# KiCad board TX75v2 PCB replacement.kicad_pcb
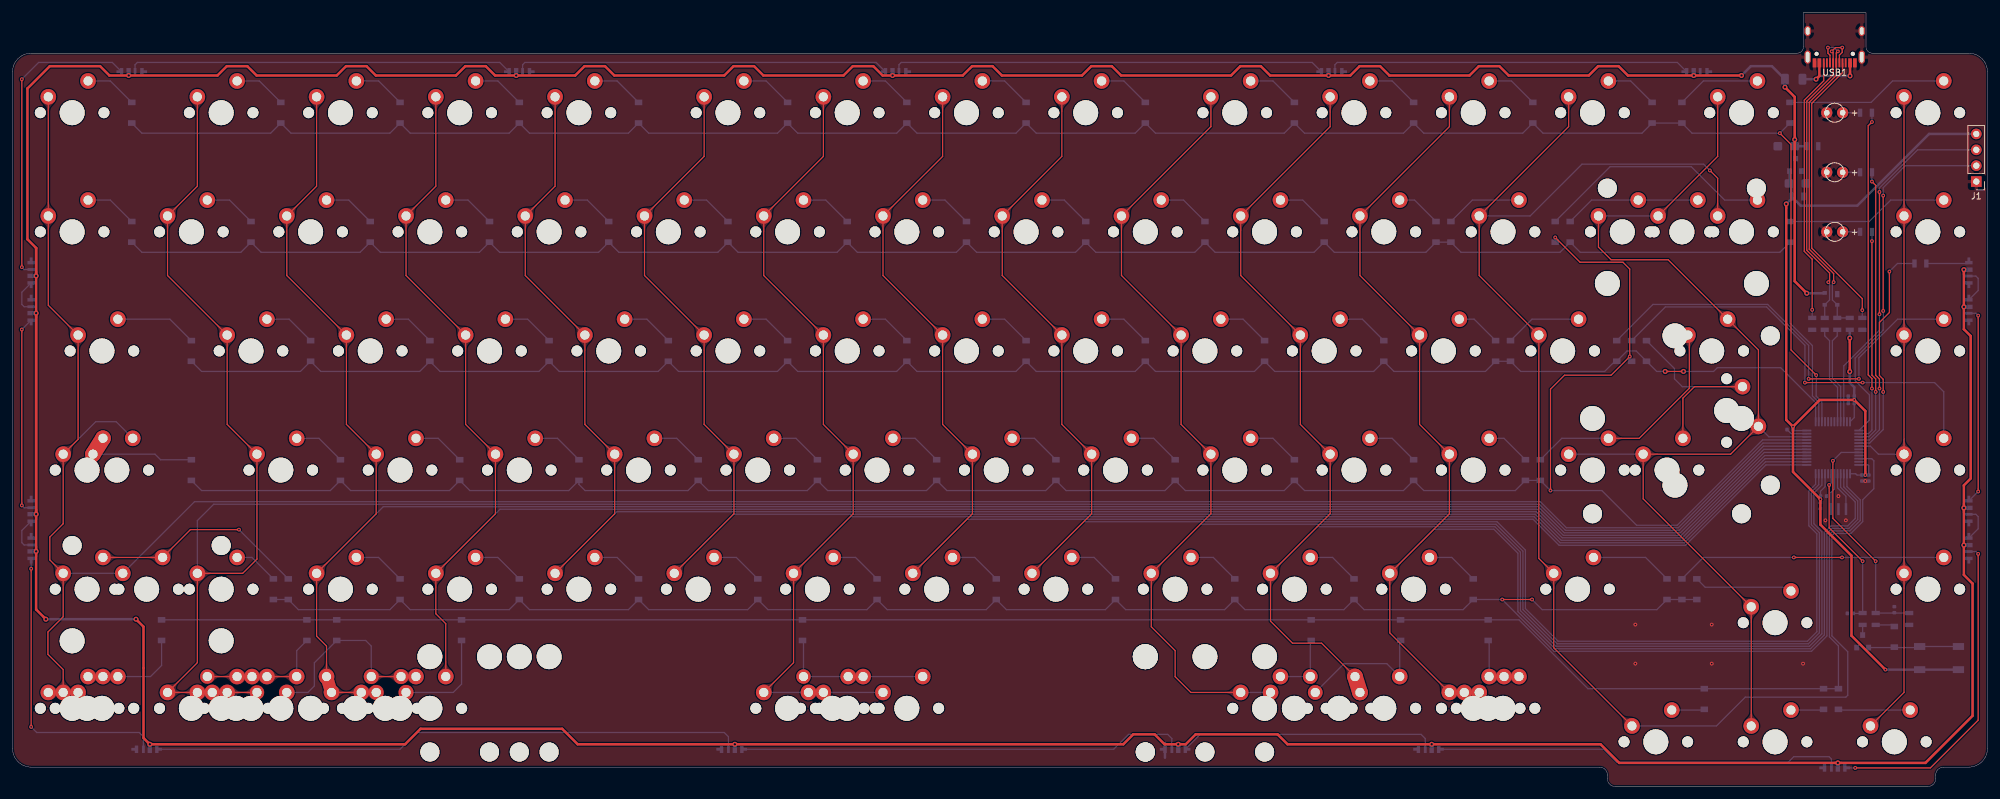
[diagram p0: board, top side]
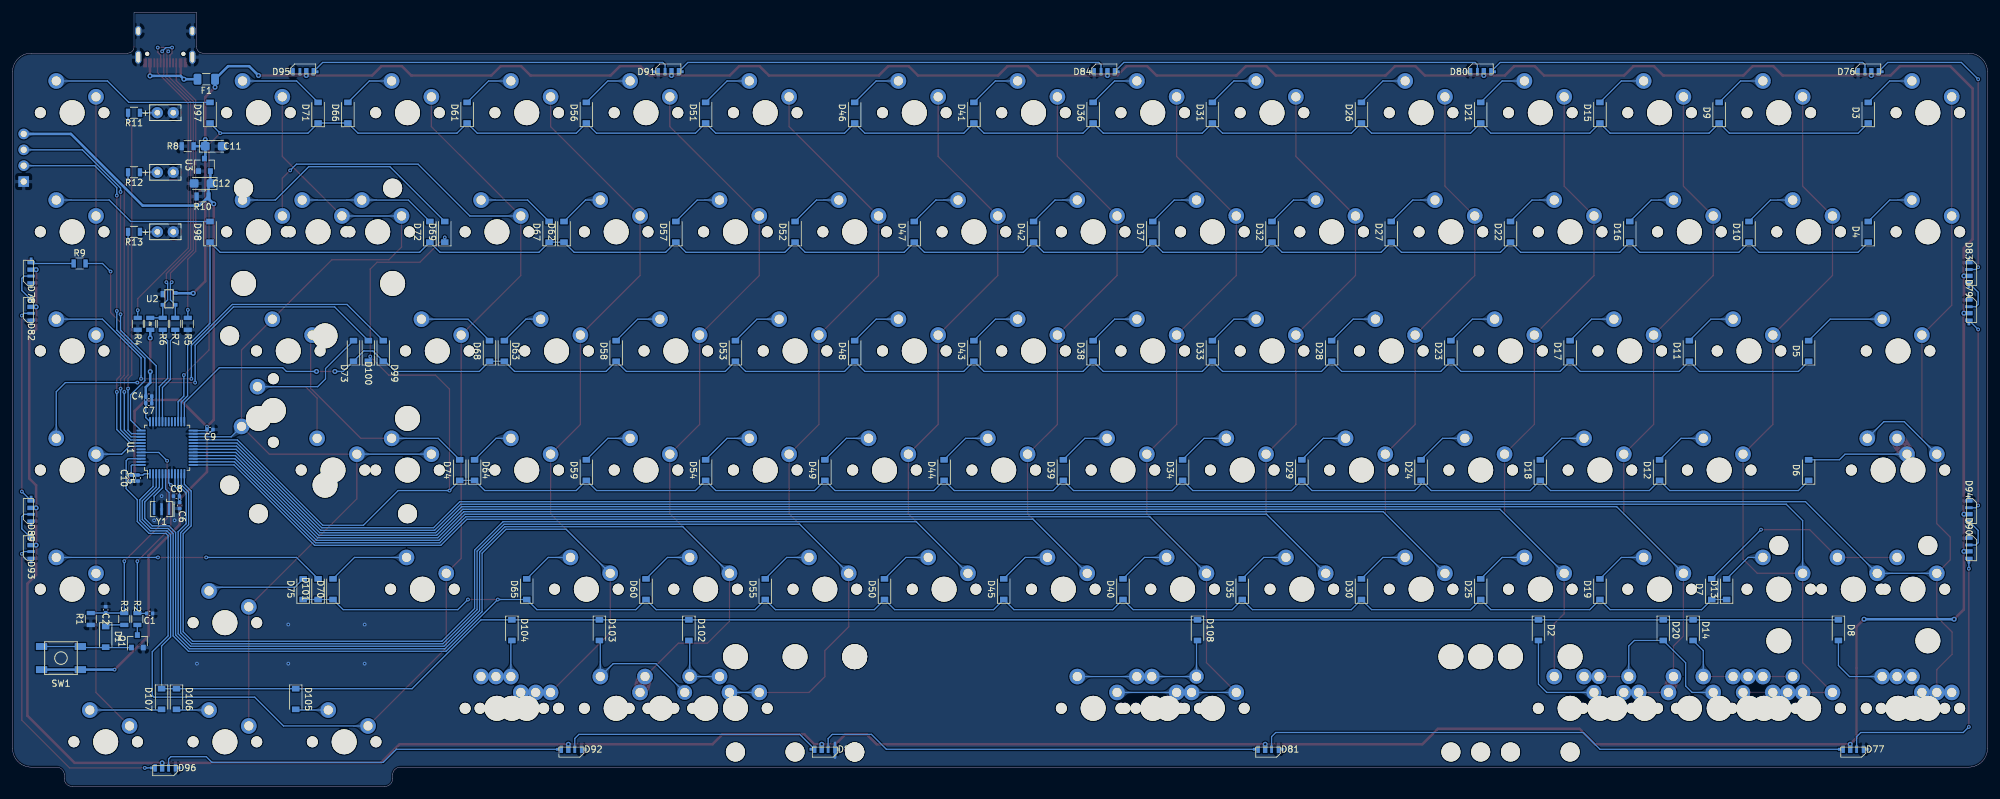
[diagram p1: board, bottom side, seen from below]

Outline 315.52 x 123.78 mm; copper layers: Top, Bottom. Coordinates in mm from the lower left corner of the outline.
Outline path: 0,114.28 arc(0.88,116.4) 3,117.28 285.11,117.28 arc(285.81,117.57) 286.11,118.28 286.11,123.78 296.11,123.78 296.11,118.28 arc(296.4,117.57) 297.11,117.28 312.52,117.28 arc(314.64,116.4) 315.52,114.28 315.52,6.1 arc(314.64,3.97) 312.52,3.1 308.49,3.1 arc(307.61,2.73) 307.24,1.85 307.24,1.25 arc(306.87,0.37) 305.99,0 256.04,0 arc(255.16,0.37) 254.79,1.25 254.79,1.85 arc(254.43,2.73) 253.54,3.1 3,3.1 arc(0.88,3.97) 0,6.1 0,114.28

## Placement (name value [footprint] x y rotation side)
C1  100nF  [C_0402_1005Metric]  293.61 27.68 0 bottom
C2  10uF (±5%)  [C_0402_1005Metric]  300.63 28.28 90 bottom
C4  10uF  [C_0402_1005Metric]  293.75 62.42 0 bottom
C5  0.1uF  [C_0402_1005Metric]  295.47 49.33 90 bottom
C6  0.1uF  [C_0402_1005Metric]  288.82 44.93 90 bottom
C7  0.1uF  [C_0402_1005Metric]  293.75 61.27 0 bottom
C8  10nF  [C_0402_1005Metric]  289.32 46.43 180 bottom
C9  0.1uF  [C_0402_1005Metric]  283.96 57.08 0 bottom
C10  1uF  [C_0402_1005Metric]  296.55 49.33 90 bottom
C11  1uF  [CP_EIA-3216-10_Kemet-I]  283.37 102.39 180 bottom
C12  1uF  [CP_EIA-3216-10_Kemet-I]  285.16 96.44 0 bottom
D1  D  [D_SOD-123]  300.63 23.93 270 bottom
D2  D  [D_SOD-123-Pretty]  71.74 25 270 bottom
D3  D  [D_SOD-123]  19.05 107.75 90 bottom
D4  D  [D_SOD-123]  19.05 88.7 90 bottom
D5  D  [D_SOD-123]  28.57 69.65 90 bottom
D6  D  [D_SOD-123]  28.57 50.6 90 bottom
D7  D  [D_SOD-123]  44.05 31.55 90 bottom
D8  D  [D_SOD-123]  23.81 25 270 bottom
D9  D  [D_SOD-123]  42.86 107.75 90 bottom
D10  D  [D_SOD-123]  38.1 88.7 90 bottom
D11  D  [D_SOD-123]  47.62 69.65 90 bottom
D12  D  [D_SOD-123]  52.39 50.6 90 bottom
D13  D  [D_SOD-123]  41.67 31.55 90 bottom
D14  D  [D_SOD-123]  47.03 25 270 bottom
D15  D  [D_SOD-123]  61.91 107.75 90 bottom
D16  D  [D_SOD-123]  57.15 88.7 90 bottom
D17  D  [D_SOD-123]  66.67 69.65 90 bottom
D18  D  [D_SOD-123]  71.44 50.6 90 bottom
D19  D  [D_SOD-123]  61.91 31.55 90 bottom
D20  D  [D_SOD-123]  51.79 25 270 bottom
D21  D  [D_SOD-123]  80.96 107.75 90 bottom
D22  D  [D_SOD-123]  76.2 88.7 90 bottom
D23  D  [D_SOD-123]  85.72 69.65 90 bottom
D24  D  [D_SOD-123]  90.49 50.6 90 bottom
D25  D  [D_SOD-123]  80.96 31.55 90 bottom
D26  D  [D_SOD-123]  100.01 107.75 90 bottom
D27  D  [D_SOD-123]  95.25 88.7 90 bottom
D28  D  [D_SOD-123]  104.78 69.65 90 bottom
D29  D  [D_SOD-123]  109.54 50.6 90 bottom
D30  D  [D_SOD-123]  100.01 31.55 90 bottom
D31  D  [D_SOD-123]  123.82 107.75 90 bottom
D32  D  [D_SOD-123]  114.3 88.7 90 bottom
D33  D  [D_SOD-123]  123.82 69.65 90 bottom
D34  D  [D_SOD-123]  128.59 50.6 90 bottom
D35  D  [D_SOD-123]  119.06 31.55 90 bottom
D36  D  [D_SOD-123]  142.88 107.75 90 bottom
D37  D  [D_SOD-123]  133.35 88.7 90 bottom
D38  D  [D_SOD-123]  142.88 69.65 90 bottom
D39  D  [D_SOD-123]  147.64 50.6 90 bottom
D40  D  [D_SOD-123]  138.11 31.55 90 bottom
D41  D  [D_SOD-123]  161.93 107.75 90 bottom
D42  D  [D_SOD-123]  152.4 88.7 90 bottom
D43  D  [D_SOD-123]  161.93 69.65 90 bottom
D44  D  [D_SOD-123]  166.69 50.6 90 bottom
D45  D  [D_SOD-123]  157.16 31.55 90 bottom
D46  D  [D_SOD-123]  180.97 107.75 90 bottom
D47  D  [D_SOD-123]  171.45 88.7 90 bottom
D48  D  [D_SOD-123]  180.97 69.65 90 bottom
D49  D  [D_SOD-123]  185.74 50.6 90 bottom
D50  D  [D_SOD-123]  176.21 31.55 90 bottom
D51  D  [D_SOD-123]  204.79 107.75 90 bottom
D52  D  [D_SOD-123]  190.5 88.7 90 bottom
D53  D  [D_SOD-123]  200.03 69.65 90 bottom
D54  D  [D_SOD-123]  204.79 50.6 90 bottom
D55  D  [D_SOD-123]  195.26 31.55 90 bottom
D56  D  [D_SOD-123]  223.84 107.75 90 bottom
D57  D  [D_SOD-123]  209.55 88.7 90 bottom
D58  D  [D_SOD-123]  219.08 69.65 90 bottom
D59  D  [D_SOD-123]  223.84 50.6 90 bottom
D60  D  [D_SOD-123]  214.31 31.55 90 bottom
D61  D  [D_SOD-123]  242.89 107.75 90 bottom
D62  D  [D_SOD-123]  227.41 88.7 90 bottom
D63  D  [D_SOD-123]  236.94 69.65 90 bottom
D64  D  [D_SOD-123]  241.7 50.6 90 bottom
D65  D  [D_SOD-123]  233.36 31.55 90 bottom
D66  D  [D_SOD-123]  261.94 107.75 90 bottom
D67  D  [D_SOD-123]  229.79 88.7 90 bottom
D68  D  [D_SOD-123]  239.32 69.65 90 bottom
D69  D  [D_SOD-123]  246.46 88.7 90 bottom
D70  D  [D_SOD-123]  264.32 31.55 90 bottom
D71  D  [D_SOD-123]  266.7 107.75 90 bottom
D72  D  [D_SOD-123]  248.84 88.7 90 bottom
D73  D  [D_SOD-123]  261.05 69.65 90 bottom
D74  D  [D_SOD-123]  244.08 50.6 90 bottom
D75  D  [D_SOD-123]  269.08 31.55 90 bottom
D76  RGB_ledchip_3010  [SK6805 SIDE-G 4020 LED-using6812footprint]  19.05 114.3 180 bottom
D77  RGB_ledchip_3010  [SK6805 SIDE-G 4020 LED-using6812footprint]  21.43 5.95 0 bottom
D78  RGB_ledchip_3010  [SK6805 SIDE-G 4020 LED-using6812footprint]  312.54 82.15 90 bottom
D79  RGB_ledchip_3010  [SK6805 SIDE-G 4020 LED-using6812footprint]  2.98 76.2 270 bottom
D80  RGB_ledchip_3010  [SK6805 SIDE-G 4020 LED-using6812footprint]  80.96 114.3 180 bottom
D81  RGB_ledchip_3010  [SK6805 SIDE-G 4020 LED-using6812footprint]  114.9 5.95 0 bottom
D82  RGB_ledchip_3010  [SK6805 SIDE-G 4020 LED-using6812footprint]  312.54 76.2 90 bottom
D83  RGB_ledchip_3010  [SK6805 SIDE-G 4020 LED-using6812footprint]  2.98 82.15 270 bottom
D84  RGB_ledchip_3010  [SK6805 SIDE-G 4020 LED-using6812footprint]  141.09 114.3 180 bottom
D85  RGB_ledchip_3010  [SK6805 SIDE-G 4020 LED-using6812footprint]  185.74 5.95 0 bottom
D86  LED  [LED_D3.0mm-Pretty-sanpjx]  291.11 107.75 0 top
D87  LED  [LED_D3.0mm-Pretty-sanpjx]  291.11 98.23 0 top
D88  LED  [LED_D3.0mm-Pretty-sanpjx]  291.11 88.7 0 top
D89  RGB_ledchip_3010  [SK6805 SIDE-G 4020 LED-using6812footprint]  312.54 44.05 90 bottom
D90  RGB_ledchip_3010  [SK6805 SIDE-G 4020 LED-using6812footprint]  2.98 38.1 270 bottom
D91  RGB_ledchip_3010  [SK6805 SIDE-G 4020 LED-using6812footprint]  210.74 114.3 180 bottom
D92  RGB_ledchip_3010  [SK6805 SIDE-G 4020 LED-using6812footprint]  226.22 5.95 0 bottom
D93  RGB_ledchip_3010  [SK6805 SIDE-G 4020 LED-using6812footprint]  312.54 38.1 90 bottom
D94  RGB_ledchip_3010  [SK6805 SIDE-G 4020 LED-using6812footprint]  2.98 44.05 270 bottom
D95  RGB_ledchip_3010  [SK6805 SIDE-G 4020 LED-using6812footprint]  269.08 114.3 180 bottom
D96  RGB_ledchip_3010  [SK6805 SIDE-G 4020 LED-using6812footprint]  291.11 2.98 0 bottom
D97  D  [D_SOD-123]  283.96 107.75 90 bottom
D98  D  [D_SOD-123]  283.96 88.7 90 bottom
D99  D  [D_SOD-123]  256.28 69.65 90 bottom
D100  D  [D_SOD-123]  258.66 69.65 90 bottom
D101  D  [D_SOD-123]  266.7 31.55 90 bottom
D102  D  [D_SOD-123]  207.47 25 270 bottom
D103  D  [D_SOD-123]  221.76 25 270 bottom
D104  D  [D_SOD-123]  235.74 25 270 bottom
D105  D  [D_SOD-123]  270.27 13.99 270 bottom
D106  D  [D_SOD-123]  289.32 13.99 270 bottom
D107  D  [D_SOD-123]  291.7 13.99 270 bottom
D108  D  [D_SOD-123]  126.21 25 270 bottom
F1  500mA @ 1206  [Fuse_1206_3216Metric]  284.56 113.11 0 bottom
G***  LOGO  [mogumogu]  104.9 16.07 0 top
G***#2  LOGO  [SawnsprojectsOG]  164.9 16.07 180 bottom
J1  Conn_01x04_Female  [PinHeader_1x04_P2.54mm_Vertical]  313.73 96.74 180 top
MX1  MX-NoLED-MX_Alps_Hybrid  [MXOnly-1U-NoLED]  9.52 107.75 0 top
MX2  MX-NoLED-MX_Alps_Hybrid  [MXOnly-1U-NoLED]  9.52 88.7 0 top
MX3  MX-NoLED-MX_Alps_Hybrid  [MXOnly-1.5U-NoLED]  14.29 69.65 0 top
MX4  MX-NoLED-MX_Alps_Hybrid  [MXOnly-1.75U-NoLED]  16.67 50.6 0 top
MX5  MX-NoLED-MX_Alps_Hybrid  [MXOnly-1.25U-NoLED]  11.91 50.6 0 top
MX6  MX-NoLED-MX_Alps_Hybrid  [MXOnly-2.25U-NoLED]  21.43 31.55 0 top
MX7  MX-NoLED-MX_Alps_Hybrid  [MXOnly-1.25U-NoLED]  11.91 31.55 0 top
MX8  MX-NoLED-MX_Alps_Hybrid  [MXOnly-1.25U-NoLED]  11.91 12.5 0 top
MX9  MX-NoLED-MX_Alps_Hybrid  [MXOnly-1.5U-NoLED]  14.29 12.5 0 top
MX10  MX-NoLED-MX_Alps_Hybrid  [MXOnly-1U-NoLED]  33.34 107.75 0 top
MX11  MX-NoLED-MX_Alps_Hybrid  [MXOnly-1U-NoLED]  28.57 88.7 0 top
MX12  MX-NoLED-MX_Alps_Hybrid  [MXOnly-1U-NoLED]  38.1 69.65 0 top
MX13  MX-NoLED-MX_Alps_Hybrid  [MXOnly-1U-NoLED]  42.86 50.6 0 top
MX14  MX-NoLED-MX_Alps_Hybrid  [MXOnly-1U-NoLED]  33.34 31.55 0 top
MX15  MX-NoLED-MX_Alps_Hybrid  [MXOnly-1.25U-NoLED]  35.72 12.5 0 top
MX16  MX-NoLED-MX_Alps_Hybrid  [MXOnly-1U-NoLED]  33.34 12.5 0 top
MX17  MX-NoLED-MX_Alps_Hybrid  [MXOnly-1U-NoLED]  38.1 12.5 0 top
MX18  MX-NoLED-MX_Alps_Hybrid  [MXOnly-1.5U-NoLED]  42.86 12.5 0 top
MX19  MX-NoLED-MX_Alps_Hybrid  [MXOnly-1U-NoLED]  52.39 107.75 0 top
MX20  MX-NoLED-MX_Alps_Hybrid  [MXOnly-1U-NoLED]  47.62 88.7 0 top
MX21  MX-NoLED-MX_Alps_Hybrid  [MXOnly-1U-NoLED]  57.15 69.65 0 top
MX22  MX-NoLED-MX_Alps_Hybrid  [MXOnly-1U-NoLED]  61.91 50.6 0 top
MX23  MX-NoLED-MX_Alps_Hybrid  [MXOnly-1U-NoLED]  52.39 31.55 0 top
MX24  MX-NoLED-MX_Alps_Hybrid  [MXOnly-1.25U-NoLED]  54.77 12.5 0 top
MX25  MX-NoLED-MX_Alps_Hybrid  [MXOnly-1.25U-NoLED]  59.53 12.5 0 top
MX26  MX-NoLED-MX_Alps_Hybrid  [MXOnly-1.5U-NoLED]  61.91 12.5 0 top
MX27  MX-NoLED-MX_Alps_Hybrid  [MXOnly-1U-NoLED]  71.44 107.75 0 top
MX28  MX-NoLED-MX_Alps_Hybrid  [MXOnly-1U-NoLED]  66.67 88.7 0 top
MX29  MX-NoLED-MX_Alps_Hybrid  [MXOnly-1U-NoLED]  76.2 69.65 0 top
MX30  MX-NoLED-MX_Alps_Hybrid  [MXOnly-1U-NoLED]  80.96 50.6 0 top
MX31  MX-NoLED-MX_Alps_Hybrid  [MXOnly-1U-NoLED]  71.44 31.55 0 top
MX32  MX-NoLED-MX_Alps_Hybrid  [MXOnly-1U-NoLED]  90.49 107.75 0 top
MX33  MX-NoLED-MX_Alps_Hybrid  [MXOnly-1U-NoLED]  85.72 88.7 0 top
MX34  MX-NoLED-MX_Alps_Hybrid  [MXOnly-1U-NoLED]  95.25 69.65 0 top
MX35  MX-NoLED-MX_Alps_Hybrid  [MXOnly-1U-NoLED]  100.01 50.6 0 top
MX36  MX-NoLED-MX_Alps_Hybrid  [MXOnly-1U-NoLED]  90.49 31.55 0 top
MX37  MX-NoLED-MX_Alps_Hybrid  [MXOnly-1U-NoLED]  114.3 107.75 0 top
MX38  MX-NoLED-MX_Alps_Hybrid  [MXOnly-1U-NoLED]  104.78 88.7 0 top
MX39  MX-NoLED-MX_Alps_Hybrid  [MXOnly-1U-NoLED]  114.3 69.65 0 top
MX40  MX-NoLED-MX_Alps_Hybrid  [MXOnly-1U-NoLED]  119.06 50.6 0 top
MX41  MX-NoLED-MX_Alps_Hybrid  [MXOnly-1U-NoLED]  109.54 31.55 0 top
MX42  MX-NoLED-MX_Alps_Hybrid  [MXOnly-6.25U-ReversedStabilizers-NoLED]  130.97 12.5 0 top
MX43  MX-NoLED-MX_Alps_Hybrid  [MXOnly-7U-ReversedStabilizers-NoLED]  133.35 12.5 0 top
MX44  MX-NoLED-MX_Alps_Hybrid  [MXOnly-7U-ReversedStabilizers-NoLED]  123.82 12.5 0 top
MX45  MX-NoLED-MX_Alps_Hybrid  [MXOnly-7U-ReversedStabilizers-NoLED]  142.88 12.5 0 top
MX46  MX-NoLED-MX_Alps_Hybrid  [MXOnly-1U-NoLED]  133.35 107.75 0 top
MX47  MX-NoLED-MX_Alps_Hybrid  [MXOnly-1U-NoLED]  123.82 88.7 0 top
MX48  MX-NoLED-MX_Alps_Hybrid  [MXOnly-1U-NoLED]  133.35 69.65 0 top
MX49  MX-NoLED-MX_Alps_Hybrid  [MXOnly-1U-NoLED]  138.11 50.6 0 top
MX50  MX-NoLED-MX_Alps_Hybrid  [MXOnly-1U-NoLED]  128.59 31.55 0 top
MX51  MX-NoLED-MX_Alps_Hybrid  [MXOnly-1U-NoLED]  152.4 107.75 0 top
MX52  MX-NoLED-MX_Alps_Hybrid  [MXOnly-1U-NoLED]  142.88 88.7 0 top
MX53  MX-NoLED-MX_Alps_Hybrid  [MXOnly-1U-NoLED]  152.4 69.65 0 top
MX54  MX-NoLED-MX_Alps_Hybrid  [MXOnly-1U-NoLED]  157.16 50.6 0 top
MX55  MX-NoLED-MX_Alps_Hybrid  [MXOnly-1U-NoLED]  147.64 31.55 0 top
MX56  MX-NoLED-MX_Alps_Hybrid  [MXOnly-1U-NoLED]  171.45 107.75 0 top
MX57  MX-NoLED-MX_Alps_Hybrid  [MXOnly-1U-NoLED]  161.93 88.7 0 top
MX58  MX-NoLED-MX_Alps_Hybrid  [MXOnly-1U-NoLED]  171.45 69.65 0 top
MX59  MX-NoLED-MX_Alps_Hybrid  [MXOnly-1U-NoLED]  176.21 50.6 0 top
MX60  MX-NoLED-MX_Alps_Hybrid  [MXOnly-1U-NoLED]  166.69 31.55 0 top
MX61  MX-NoLED-MX_Alps_Hybrid  [MXOnly-1U-NoLED]  195.26 107.75 0 top
MX62  MX-NoLED-MX_Alps_Hybrid  [MXOnly-1U-NoLED]  180.97 88.7 0 top
MX63  MX-NoLED-MX_Alps_Hybrid  [MXOnly-1U-NoLED]  190.5 69.65 0 top
MX64  MX-NoLED-MX_Alps_Hybrid  [MXOnly-1U-NoLED]  195.26 50.6 0 top
MX65  MX-NoLED-MX_Alps_Hybrid  [MXOnly-1U-NoLED]  185.74 31.55 0 top
MX66  MX-NoLED-MX_Alps_Hybrid  [MXOnly-1U-NoLED]  200.03 12.5 0 top
MX67  MX-NoLED-MX_Alps_Hybrid  [MXOnly-1.5U-NoLED]  204.79 12.5 0 top
MX68  MX-NoLED-MX_Alps_Hybrid  [MXOnly-1U-NoLED]  214.31 107.75 0 top
MX69  MX-NoLED-MX_Alps_Hybrid  [MXOnly-1U-NoLED]  200.03 88.7 0 top
MX70  MX-NoLED-MX_Alps_Hybrid  [MXOnly-1U-NoLED]  209.55 69.65 0 top
MX71  MX-NoLED-MX_Alps_Hybrid  [MXOnly-1U-NoLED]  214.31 50.6 0 top
MX72  MX-NoLED-MX_Alps_Hybrid  [MXOnly-1U-NoLED]  204.79 31.55 0 top
MX73  MX-NoLED-MX_Alps_Hybrid  [MXOnly-1.25U-NoLED]  211.93 12.5 0 top
MX74  MX-NoLED-MX_Alps_Hybrid  [MXOnly-1U-NoLED]  219.08 12.5 0 top
MX75  MX-NoLED-MX_Alps_Hybrid  [MXOnly-1U-NoLED]  233.36 107.75 0 top
MX76  MX-NoLED-MX_Alps_Hybrid  [MXOnly-1U-NoLED]  219.08 88.7 0 top
MX77  MX-NoLED-MX_Alps_Hybrid  [MXOnly-1U-NoLED]  228.6 69.65 0 top
MX78  MX-NoLED-MX_Alps_Hybrid  [MXOnly-1U-NoLED]  233.36 50.6 0 top
MX79  MX-NoLED-MX_Alps_Hybrid  [MXOnly-1U-NoLED]  223.84 31.55 0 top
MX80  MX-NoLED-MX_Alps_Hybrid  [MXOnly-1.25U-NoLED]  235.74 12.5 0 top
MX81  MX-NoLED-MX_Alps_Hybrid  [MXOnly-1.5U-NoLED]  233.36 12.5 0 top
MX82  MX-NoLED-MX_Alps_Hybrid  [MXOnly-1U-NoLED]  238.12 12.5 0 top
MX83  MX-NoLED-MX_Alps_Hybrid  [MXOnly-1U-NoLED]  252.41 107.75 0 top
MX84  MX-NoLED-MX_Alps_Hybrid  [MXOnly-1U-NoLED]  238.12 88.7 0 top
MX85  MX-NoLED-MX_Alps_Hybrid  [MXOnly-1U-NoLED]  247.65 69.65 0 top
MX86  MX-NoLED-MX_Alps_Hybrid  [MXOnly-1U-NoLED]  276.22 88.7 0 top
MX87  MX-NoLED-MX_Alps_Hybrid  [MXOnly-1.75U-NoLED]  250.03 31.55 0 top
MX88  MX-NoLED-MX_Alps_Hybrid  [MXOnly-1U-NoLED]  262.53 7.14 0 top
MX89  MX-NoLED-MX_Alps_Hybrid  [MXOnly-1U-NoLED]  276.22 107.75 0 top
MX90  MX-NoLED-MX_Alps_Hybrid  [MXOnly-2U-NoLED]  266.7 88.7 0 top
MX91  MX-NoLED-MX_Alps_Hybrid  [MXOnly-1U-NoLED]  257.18 88.7 0 top
MX92  MX-NoLED-MX_Alps_Hybrid  [MXOnly-1U-NoLED]  252.41 50.6 0 top
MX93  MX-NoLED-MX_Alps_Hybrid  [MXOnly-2.25U-ReversedStabilizers-NoLED]  264.32 50.6 0 top
MX94  MX-NoLED-MX_Alps_Hybrid  [MXOnly-1U-NoLED]  281.58 26.19 0 top
MX95  MX-NoLED-MX_Alps_Hybrid  [MXOnly-1U-NoLED]  281.58 7.14 0 top
MX96  MX-NoLED-MX_Alps_Hybrid  [MXOnly-1.5U-NoLED]  271.46 69.65 0 top
MX97  MX-NoLED-MX_Alps_Hybrid  [MXOnly-ISO-ROTATED-ReversedStabilizers-NoLED]  273.84 60.13 0 top
MX98  MX-NoLED-MX_Alps_Hybrid  [MXOnly-1U-NoLED]  305.99 107.75 0 top
MX99  MX-NoLED-MX_Alps_Hybrid  [MXOnly-1U-NoLED]  305.99 88.7 0 top
MX100  MX-NoLED-MX_Alps_Hybrid  [MXOnly-1U-NoLED]  305.99 69.65 0 top
MX101  MX-NoLED-MX_Alps_Hybrid  [MXOnly-1U-NoLED]  305.99 50.6 0 top
MX102  MX-NoLED-MX_Alps_Hybrid  [MXOnly-1U-NoLED]  305.99 31.55 0 top
MX103  MX-NoLED-MX_Alps_Hybrid  [MXOnly-1U-NoLED]  300.63 7.14 0 top
MX104  MX-NoLED-MX_Alps_Hybrid  [MXOnly-1U-NoLED]  9.52 12.5 0 top
MX105  MX-NoLED-MX_Alps_Hybrid  [MXOnly-1U-NoLED]  28.58 12.5 0 top
MX106  MX-NoLED-MX_Alps_Hybrid  [MXOnly-1U-NoLED]  47.63 12.5 0 top
MX107  MX-NoLED-MX_Alps_Hybrid  [MXOnly-1U-NoLED]  66.68 12.5 0 top
Q1  DTC123J  [SOT-23]  295.57 23.22 90 bottom
R1  1M (±1%)  [R_0805]  303.01 26.79 270 bottom
R2  100R  [R_0805]  295.57 26.79 270 bottom
R3  330k (±1%)  [R_0805]  297.66 26.79 270 bottom
R4  5.1k  [R_0805]  295.51 73.99 90 bottom
R5  5.1k  [R_0805]  287.51 73.99 90 bottom
R6  22  [R_0805]  291.51 73.99 90 bottom
R7  22  [R_0805]  289.51 73.99 90 bottom
R8  100k  [R_0805]  287.54 102.39 0 bottom
R9  200-500R  [R_0805]  304.8 83.64 180 bottom
R10  100k  [R_0805]  285.16 94.36 0 bottom
R11  >360ohm  [R_0805]  296.11 107.75 0 bottom
R12  >360ohm  [R_0805]  296.11 98.23 0 bottom
R13  >360ohm  [R_0805]  296.11 88.7 0 bottom
R14  1.5k  [R_0805]  293.51 73.99 90 bottom
SW1  SW_PUSH  [SKQG-1155865]  307.78 20.54 180 bottom
U1  STM32F303CCTx  [LQFP-48_7x7mm_P0.5mm]  290.81 54.17 90 bottom
U2  PRTR5V0U2X  [SOT143B]  290.51 77.99 180 bottom
U3  MCP1700-3302E / MCP1703A-3302 (SOT23)  [SOT-23]  284.86 99.42 90 bottom
USB1  HRO-TYPE-C-31-M-12  [HRO-TYPE-C-31-M-12-Assembly]  291.11 123.42 180 top
Y1  Resonator  [Resonator_SMD_muRata_CSTxExxV-3Pin_3.0x1.1mm]  291.7 44.35 0 bottom

## Footprints (pads in the part's own frame, mm; a bottom-side part is the same pattern mirrored in y, then rotated)
C_0402_1005Metric
  rrect 0.56x0.62 smd: 1(-0.48,0) 2(0.48,0)
CP_EIA-3216-10_Kemet-I
  rrect 1.4x1.35 smd: 1(-1.35,0) 2(1.35,0)
D_SOD-123
  rect 0.9x1.2 smd: 1(-1.65,0) 2(1.65,0)
D_SOD-123-Pretty
  rect 0.9x1.2 smd: 1(-1.65,0) 2(1.65,0)
Fuse_1206_3216Metric
  rrect 1.25x1.75 smd: 1(-1.4,0) 2(1.4,0)
HRO-TYPE-C-31-M-12-Assembly
  round 0.65 hole 0.65 unplated: (-2.89,6.25) (2.89,6.25)
  rect 0.6x1.45 smd: 1(-3.225,7.695) 2(-2.45,7.695) 11(2.45,7.695) 12(3.225,7.695)
  rect 0.3x1.45 smd: 3(-1.75,7.695) 4(-1.25,7.695) 5(-0.75,7.695) 6(-0.25,7.695) 7(0.25,7.695) 8(0.75,7.695) 9(1.25,7.695) 10(1.75,7.695)
  oval 1x2.1 hole 0.6x1.7: 13(-4.32,6.78) 13(4.32,6.78)
  oval 1x1.6 hole 0.6x1.2: 13(-4.32,2.6) 13(4.32,2.6)
LED_D3.0mm-Pretty-sanpjx
  round 1.8 hole 0.9: 1(-1.27,0) 2(1.27,0)
LQFP-48_7x7mm_P0.5mm
  rrect 1.475x0.3 smd: 1(-4.162,2.75) 2(-4.162,2.25) 3(-4.162,1.75) 4(-4.162,1.25) 5(-4.162,0.75) 6(-4.162,0.25) 7(-4.162,-0.25) 8(-4.162,-0.75) 9(-4.162,-1.25) 10(-4.162,-1.75) 11(-4.162,-2.25) 12(-4.162,-2.75) 25(4.162,-2.75) 26(4.162,-2.25) 27(4.162,-1.75) 28(4.162,-1.25) 29(4.162,-0.75) 30(4.162,-0.25) 31(4.162,0.25) 32(4.162,0.75) 33(4.162,1.25) 34(4.162,1.75) 35(4.162,2.25) 36(4.162,2.75)
  rrect 0.3x1.475 smd: 13(-2.75,-4.162) 14(-2.25,-4.162) 15(-1.75,-4.162) 16(-1.25,-4.162) 17(-0.75,-4.162) 18(-0.25,-4.162) 19(0.25,-4.162) 20(0.75,-4.162) 21(1.25,-4.162) 22(1.75,-4.162) 23(2.25,-4.162) 24(2.75,-4.162) 37(2.75,4.162) 38(2.25,4.162) 39(1.75,4.162) 40(1.25,4.162) 41(0.75,4.162) 42(0.25,4.162) 43(-0.25,4.162) 44(-0.75,4.162) 45(-1.25,4.162) 46(-1.75,4.162) 47(-2.25,4.162) 48(-2.75,4.162)
MXOnly-1.5U-NoLED
  round 1.75 hole 1.75 unplated: (-5.08,0) (5.08,0)
  round 3.988 hole 3.988 unplated: (0,0)
  round 2.5 hole 1.47: 1(-3.81,2.54) 2(2.54,5.08)
MXOnly-1.25U-NoLED
  round 1.75 hole 1.75 unplated: (-5.08,0) (5.08,0)
  round 3.988 hole 3.988 unplated: (0,0)
  round 2.5 hole 1.47: 1(-3.81,2.54) 2(2.54,5.08)
MXOnly-1.75U-NoLED
  round 1.75 hole 1.75 unplated: (-5.08,0) (5.08,0)
  round 3.988 hole 3.988 unplated: (0,0)
  round 2.5 hole 1.47: 1(-3.81,2.54) 2(2.54,5.08)
MXOnly-1U-NoLED
  round 1.75 hole 1.75 unplated: (-5.08,0) (5.08,0)
  round 3.988 hole 3.988 unplated: (0,0)
  round 2.5 hole 1.47: 1(-3.81,2.54) 2(2.54,5.08)
MXOnly-2.25U-NoLED
  round 3.048 hole 3.048 unplated: (-11.906,6.985) (11.906,6.985)
  round 3.988 hole 3.988 unplated: (-11.906,-8.255) (0,0) (11.906,-8.255)
  round 1.75 hole 1.75 unplated: (-5.08,0) (5.08,0)
  round 2.5 hole 1.47: 1(-3.81,2.54) 2(2.54,5.08)
MXOnly-2.25U-ReversedStabilizers-NoLED
  round 3.988 hole 3.988 unplated: (-11.906,8.255) (0,0) (11.906,8.255)
  round 3.048 hole 3.048 unplated: (-11.906,-6.985) (11.906,-6.985)
  round 1.75 hole 1.75 unplated: (-5.08,0) (5.08,0)
  round 2.5 hole 1.47: 1(-3.81,2.54) 2(2.54,5.08)
MXOnly-2U-NoLED
  round 3.048 hole 3.048 unplated: (-11.906,6.985) (11.906,6.985)
  round 3.988 hole 3.988 unplated: (-11.906,-8.255) (0,0) (11.906,-8.255)
  round 1.75 hole 1.75 unplated: (-5.08,0) (5.08,0)
  round 2.5 hole 1.47: 1(-3.81,2.54) 2(2.54,5.08)
MXOnly-6.25U-ReversedStabilizers-NoLED
  round 3.988 hole 3.988 unplated: (-50,8.255) (0,0) (50,8.255)
  round 3.048 hole 3.048 unplated: (-50,-6.985) (50,-6.985)
  round 1.75 hole 1.75 unplated: (-5.08,0) (5.08,0)
  round 2.5 hole 1.47: 1(-3.81,2.54) 2(2.54,5.08)
MXOnly-7U-ReversedStabilizers-NoLED
  round 3.988 hole 3.988 unplated: (-57.15,8.255) (0,0) (57.15,8.255)
  round 3.048 hole 3.048 unplated: (-57.15,-6.985) (57.15,-6.985)
  round 1.75 hole 1.75 unplated: (-5.08,0) (5.08,0)
  round 2.5 hole 1.47: 1(-3.81,2.54) 2(2.54,5.08)
MXOnly-ISO-ROTATED-ReversedStabilizers-NoLED
  round 3.988 hole 3.988 unplated: (-8.255,11.938) (-8.255,-11.938) (0,0)
  round 1.75 hole 1.75 unplated: (0,5.08) (0,-5.08)
  round 3.048 hole 3.048 unplated: (6.985,11.938) (6.985,-11.938)
  round 2.5 hole 1.47: 1(2.54,3.81) 2(5.08,-2.54)
PinHeader_1x04_P2.54mm_Vertical
  rect 1.7x1.7 hole 1: 1(0,0)
  oval 1.7x1.7 hole 1: 2(0,-2.54) 3(0,-5.08) 4(0,-7.62)
R_0805
  rect 0.7x1.3 smd: 1(-0.95,0) 2(0.95,0)
Resonator_SMD_muRata_CSTxExxV-3Pin_3.0x1.1mm
  rect 0.4x1.9 smd: 1(-1.2,0) 2(0,0) 3(1.2,0)
SK6805 SIDE-G 4020 LED-using6812footprint
  rect 0.55x1.2 smd: 1(1.625,0) 2(-1.625,0)
  rect 0.65x0.45 smd: 1(2.125,0) 2(-2.125,0)
  rect 0.45x1.2 smd: 3(-0.525,0)
  rect 0.7x1.2 smd: 4(0.5,0)
SKQG-1155865
  rect 1.8x1.1 smd: 1(-3.1,-1.85) 1(3.1,-1.85) 2(-3.1,1.85) 2(3.1,1.85)
SOT143B
  rect 0.7x1 smd: 1(-1,0.75)
  rect 0.7x0.6 smd: 2(-1,-0.95) 3(1,-0.95) 4(1,0.95)
SOT-23
  rect 0.9x0.8 smd: 1(-1,0.95) 2(-1,-0.95) 3(1,0)
